# Altium PCB PCB_Rev1.1.PcbDoc (part 2 of 3)
Units mm, origin at the board's own origin, x right, y up, seen from the top; angles counter-clockwise.
Board outline 81.62 x 96.13 mm, 4 copper layers (Top Layer, GND, PWR, Bottom Layer), stack 1.49 mm thick; 180 components, 273 nets, 1035 pads, 349 vias.
Unrouted connection lines stored in the file: 133.
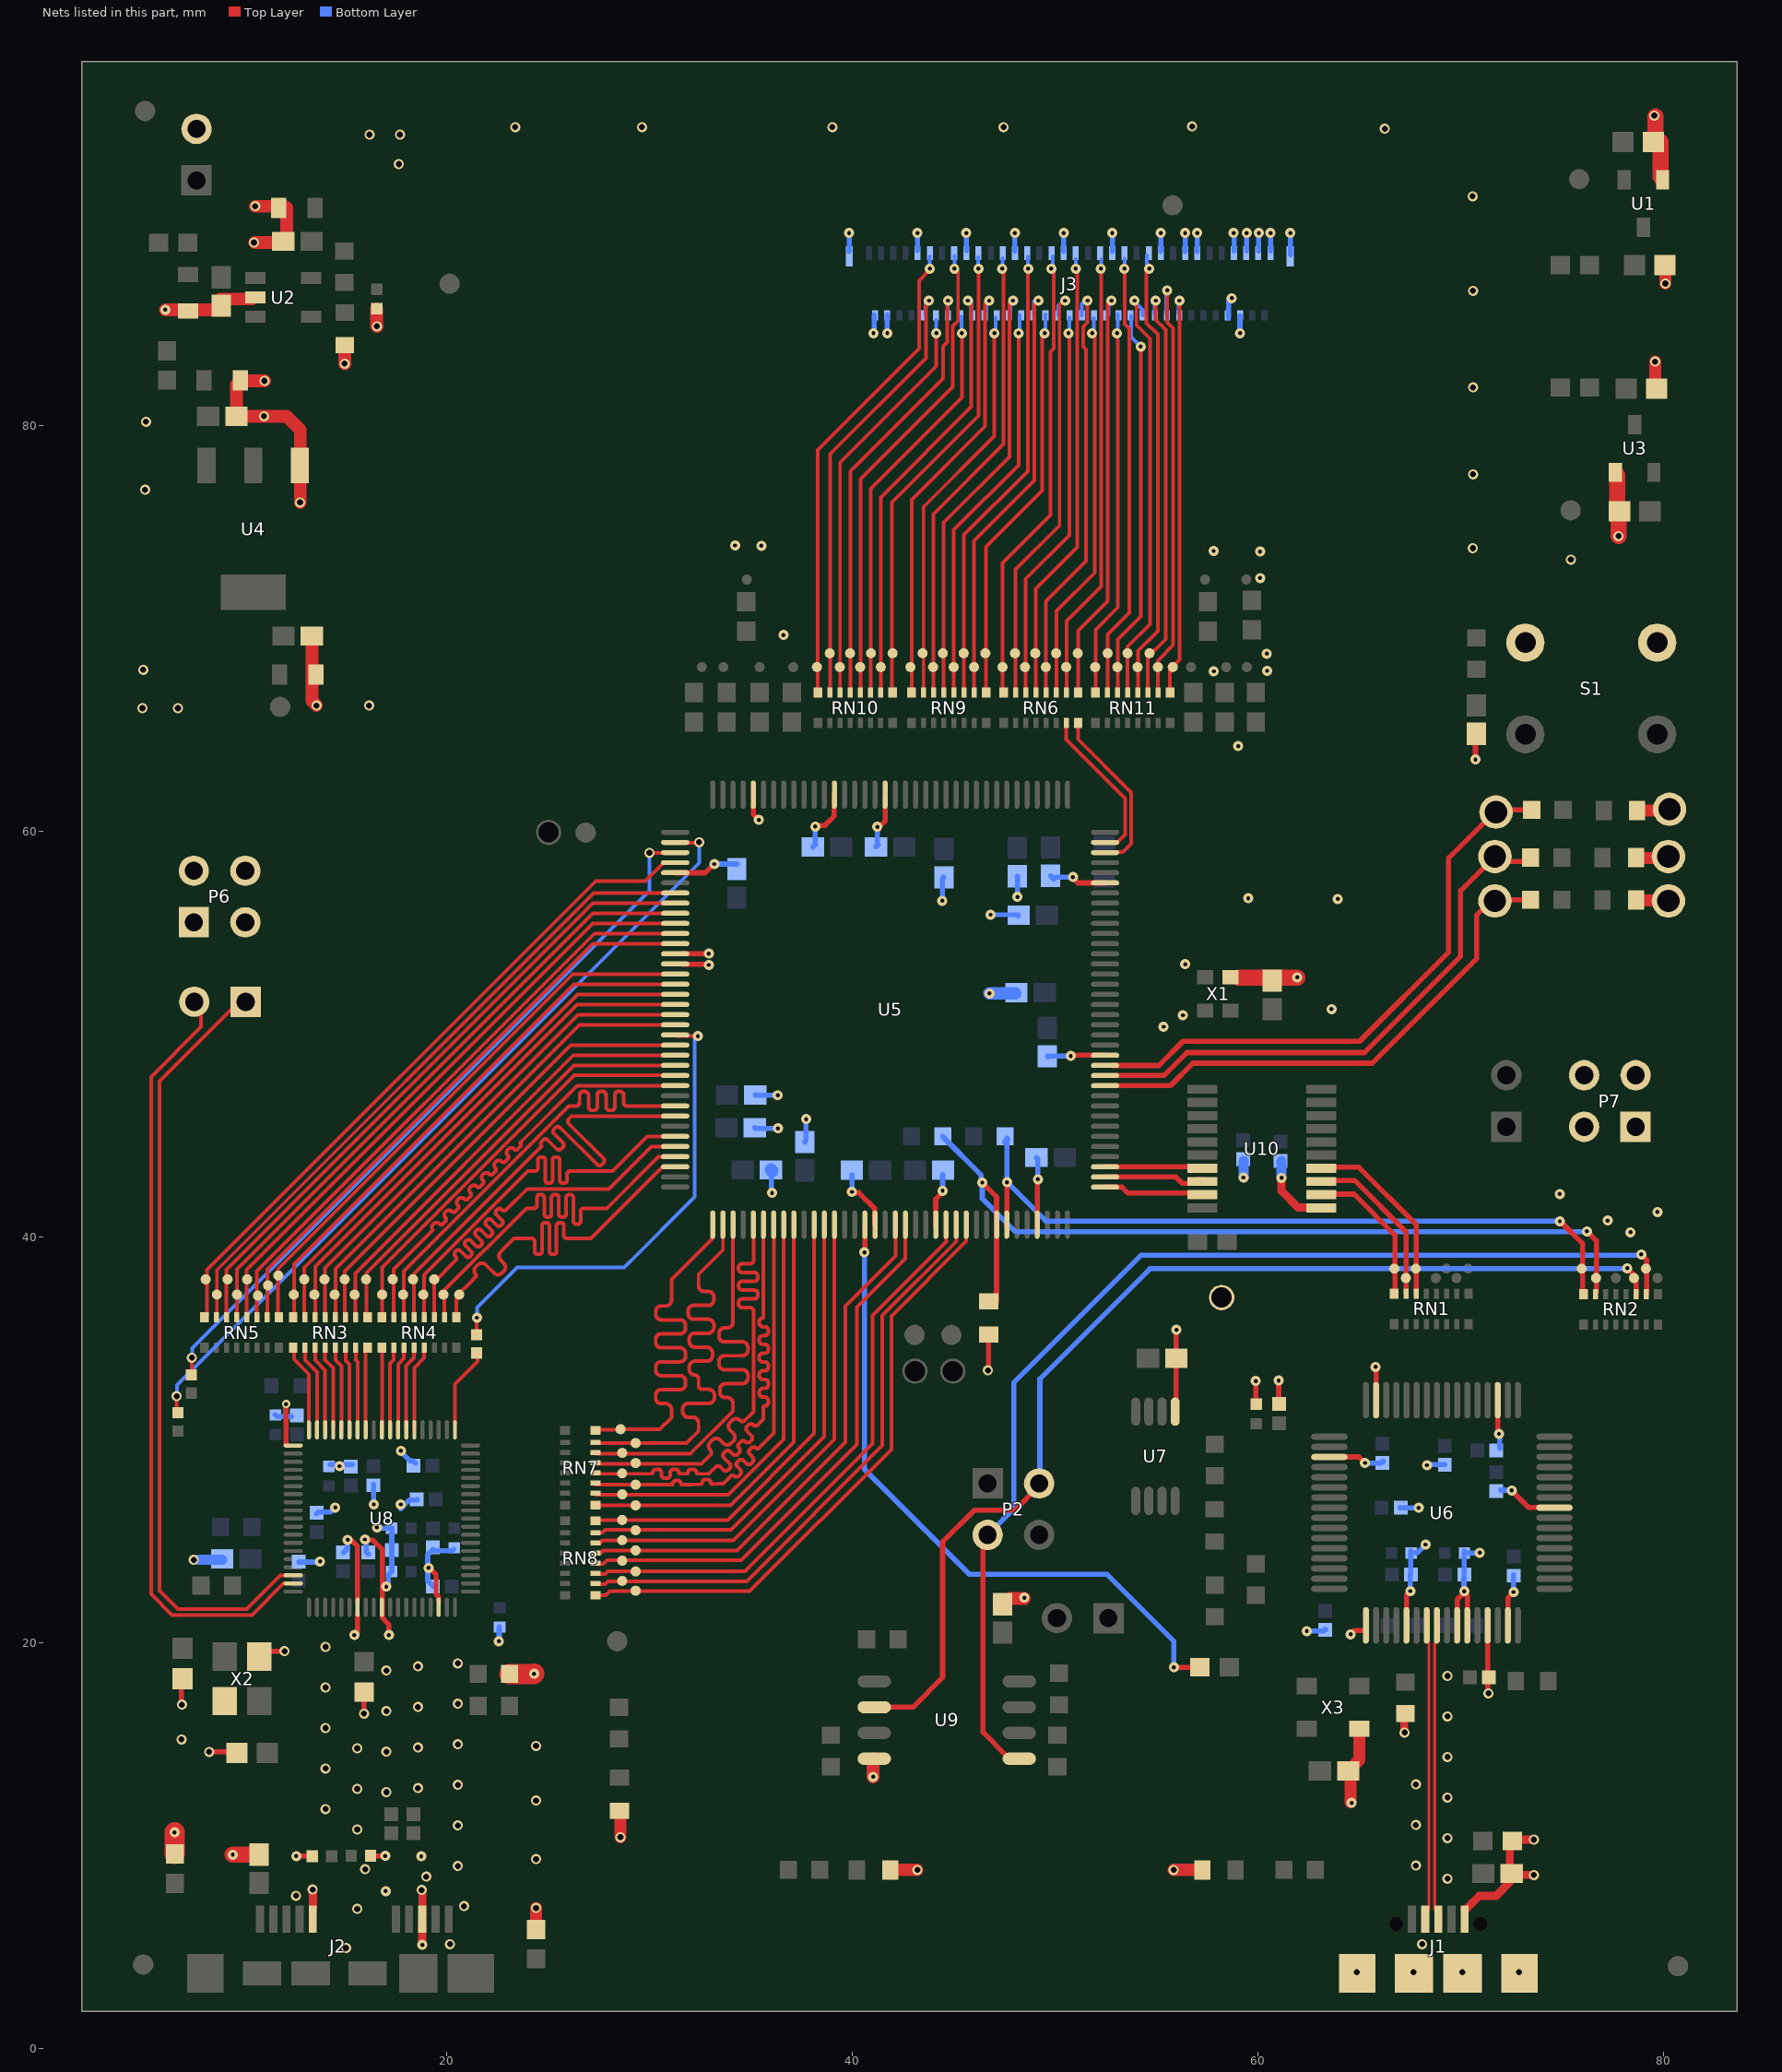
[diagram p4: the nets of this part, all layers, seen from the top]

## Via types
v1: diameter 0.5, hole 0.2, Top Layer to Bottom Layer, tented both sides, 239 vias
v2: diameter 0.5, hole 0.3, Top Layer to Bottom Layer, tented both sides, 105 vias
v3: diameter 0.6, hole 0.3, Top Layer to Bottom Layer, tented both sides, 2 vias
v4: diameter 1, hole 0.6, Top Layer to Bottom Layer, tented both sides, 1 vias
v5: diameter 0.3, hole 0.2, Top Layer to Bottom Layer, tented both sides, 1 vias
v6: diameter 0.4, hole 0.2, Top Layer to Bottom Layer, tented both sides, 1 vias

## Nets (pads, with @x,y where several pads share a name; then routed paths per layer and width w, separated by ;. In a path a pad name is that pad's centre, name@x,y a point inside that pad or via, vN(x,y) a via of type N, cw(c..) or ccw(c..) an arc to the next point about the centre after c; other vN are vias at no path point) (continued)
D19: RN4.5 U8.63 | length 4.2
  Top Layer w0.18: U8.63@18.388,30.486 18.388,33.542 18.873,34.026 RN4.5@18.873,34.529
D20: RN4.4 U8.64 | length 4.2
  Top Layer w0.18: U8.64@17.988,30.486 17.988,33.641 18.373,34.027 RN4.4@18.373,34.529
D21: RN4.3 U8.65 | length 3.7
  Top Layer w0.18: U8.65@17.596,30.897 17.596,33.725 17.873,34.002 RN4.3@17.873,34.529
D22: RN4.2 U8.66 | length 4.1
  Top Layer w0.18: U8.66@17.188,30.486 17.188,33.766 17.373,33.951 RN4.2@17.373,34.529
D23: RN4.1 U8.67 | length 4
  Top Layer w0.18: U8.67@16.788,30.486 16.788,31.017 16.807,31.035 RN4.1@16.807,34.466
D24: RN3.8 U8.69 | length 3.6
  Top Layer w0.18: U8.69@15.976,30.907 RN3.8@15.976,34.462
D25: RN3.7 U8.70 | length 4.1
  Top Layer w0.18: RN3.7@15.5,34.529 15.5,33.928 15.588,33.84 U8.70@15.588,30.486
D26: RN3.6 U8.71 | length 4.1
  Top Layer w0.18: RN3.6@15,34.529 15,33.889 15.177,33.712 15.177,30.498 U8.71@15.188,30.486
D27: RN3.5 U8.72 | length 4.2
  Top Layer w0.18: RN3.5@14.5,34.529 14.5,33.916 14.788,33.628 U8.72@14.788,30.486
D28: RN3.4 U8.73 | length 4
  Top Layer w0.18: RN3.4@13.984,34.349 13.984,33.932 14.388,33.527 U8.73@14.388,30.486
D29: RN3.3 U8.74 | length 4.2
  Top Layer w0.18: RN3.3@13.5,34.529 13.5,33.916 13.988,33.428 U8.74@13.988,30.486
D30: RN3.2 U8.75 | length 4.3
  Top Layer w0.18: RN3.2@13,34.529 13,33.916 13.588,33.327 U8.75@13.588,30.486
D31: RN3.1 U8.76 | length 4.3
  Top Layer w0.18: RN3.1@12.457,34.466 12.457,33.959 13.188,33.228 U8.76@13.188,30.486
D\C\D\: U5.73 U10.9 | length 5.1
  Top Layer w0.254: U5.73@52.453,42.451 53.288,42.451 53.58,42.159 U10.9@57.432,42.159
D\S\R\: U5.74 U10.8 | length 5.2
  Top Layer w0.254: U5.74@52.453,42.951 55.946,42.951 56.256,42.641 56.751,42.641 56.92,42.809 U10.8@57.432,42.809
D\T\R\: U5.75 U10.7 | length 5
  Top Layer w0.254: U5.75@52.453,43.451 52.455,43.453 57.426,43.453 U10.7@57.432,43.459
D_N: J1.2 U6.7 | length 14.5
  Top Layer w0.15: J1.2@68.137,6.38 J1.2@68.137,6.385 ; J1.2@68.204,6.385 J1.2@68.204,6.86 ; U6.7@68.316,20.846 68.316,20.055 68.427,19.944 J1.2@68.427,6.848
D_P: J1.3 U6.8 | length 14.5
  Top Layer w0.15: J1.3@68.705,6.861 68.705,19.944 68.816,20.055 U6.8@68.816,20.846 ; J1.3@68.854,6.385 J1.3@68.854,6.86
DATA0: J3.57 pad.2@38.245,68.096 RN10.16 | length 23.9
  Top Layer w0.18: RN10.16@38.278,66.829 38.278,78.794 43.281,83.797 43.281,87.15 43.785,87.654 v1@43.785,87.896
  Bottom Layer w0.18: v1@43.805,87.784 J3.57@43.805,88.352
  other v1: 43.814,87.737
DATA1: J3.53 pad.2@40.376,68.096 RN10.12 | length 23.5
  Top Layer w0.18: RN10.12@40.394,66.829 40.394,77.361 44.951,81.918 44.951,84.911 45.203,85.162 45.203,87.567 v1@45.044,87.726
  Bottom Layer w0.18: v1@45.03,87.811 J3.53@45.03,88.379
  other v1: 45.022,87.737
DATA2: J3.49 pad.2@41.974,68.777 RN10.9 | length 23.2
  Top Layer w0.18: RN10.9@41.952,66.829 41.952,76.236 46.207,80.491 46.207,87.727 v1@46.204,87.73
  Bottom Layer w0.18: v1@46.197,87.731 J3.49@46.197,88.299
  other v1: 46.206,87.737
DATA3: J3.45 pad.2@43.973,68.096 RN9.14 | length 22.9
  Top Layer w0.18: RN9.14@43.998,66.829 43.998,75.641 47.425,79.068 ; 47.435,79.09 v1@47.435,87.718
  Bottom Layer w0.18: v1@47.397,87.684 J3.45@47.397,88.252
  other v1: 47.385,87.737
DATA4: J3.41 pad.2@45.481,68.777 RN9.11 | length 22.8
  Top Layer w0.18: RN9.11@45.498,66.829 45.498,74.609 48.649,77.76 v1@48.649,87.737
  Bottom Layer w0.18: v1@48.656,87.759 J3.41@48.656,88.327
  other v1: 48.662,87.737
DATA5: J3.37 pad.2@47.395,68.096 RN6.16 | length 22.5
  Top Layer w0.18: RN6.16@47.393,66.833 47.393,73.221 49.76,75.588 49.76,83.642 49.918,83.8 49.918,87.572 v1@49.805,87.685
  Bottom Layer w0.18: v1@49.875,87.783 J3.37@49.875,88.351
  other v1: 49.805,87.737
DATA6: J3.33 pad.2@49.013,68.777 RN6.13 | length 22.5
  Top Layer w0.18: RN6.13@49.037,66.833 49.037,71.948 51.089,74 51.089,87.786 v1@51,87.875
  Bottom Layer w0.18: v1@51.005,87.632 J3.33@51.005,88.2
  other v1: 51.005,87.737
DATA7: J3.29 pad.2@50.536,68.096 RN6.10 | length 22.1
  Top Layer w0.18: RN6.10@50.55,66.76 50.55,70.357 52.264,72.071 v1@52.264,87.632
  Bottom Layer w0.18: v1@52.265,87.632 J3.29@52.265,88.2
  other v1: 52.248,87.737
DATA7Res: RN6.7 U5.107 | length 7.3
  Top Layer w0.18: RN6.7@50.537,65.333 50.537,64.515 53.447,61.605 53.447,59.843 U5.107@53.037,59.433
DATA8: J3.25 pad.2@52.587,68.777 RN11.15 | length 22.2
  Top Layer w0.18: RN11.15@52.571,66.829 52.571,69.7 53.64,70.769 53.64,84.782 53.418,85.004 v1@53.418,87.899
  Bottom Layer w0.18: v1@53.423,87.656 J3.25@53.423,88.224
  other v1: 53.41,87.737
DATA9: J3.21 pad.2@54.052,68.096 RN11.12 | length 22.4
  Top Layer w0.18: RN11.12@54.071,66.829 54.071,68.891 55.053,69.873 55.053,84.499 54.494,85.058 54.494,87.618 54.637,87.761 v1@54.637,87.915
  Bottom Layer w0.18: v1@54.513,87.825 J3.21@54.513,88.393
  other v1: 54.637,87.737
DATA10: J3.16 pad.2@55.794,68.095 RN11.9 | length 20
  Top Layer w0.18: RN11.9@55.654,66.959 55.654,67.982 56.131,68.459 v1@56.131,86.151
  Bottom Layer w0.18: J3.16@56.085,85.534 v1@56.085,86.102
  other v1: 56.12,86.162
DATA11: J3.18 pad.2@55.057,68.096 RN11.10 | length 21.1
  Top Layer w0.18: RN11.10@55.051,66.959 55.051,68.414 55.815,69.178 55.815,84.806 55.518,85.103 v1(55.518,86.666)
  Bottom Layer w0.18: J3.18@55.463,85.586 v1@55.463,86.519
DATA12: J3.20 pad.2@54.646,68.777 RN11.11 | length 20.3
  Top Layer w0.18: RN11.11@54.562,66.936 54.562,68.589 55.439,69.466 55.439,84.735 54.955,85.219 v1@54.955,86.151
  Bottom Layer w0.18: J3.20@54.909,85.508 v1@54.909,86.076
  other v1: 54.955,86.162
DATA13: J3.22 pad.2@53.563,68.777 RN11.13 | length 20.9
  Top Layer w0.18: RN11.13@53.562,66.959 53.562,68.777 53.562,69.101 54.665,70.204 54.665,84.288 54.003,84.951 54.003,86.195 v1@53.902,86.296
  Bottom Layer w0.18: v1@53.969,86.058 54.31,85.717 J3.22@54.31,85.438
  other v1: 53.902,86.162
DATA14: J3.24 pad.2@53.065,68.096 RN11.14 | length 19.3
  Top Layer w0.18: RN11.14@53.071,66.829 53.071,69.444 54.211,70.584 v1(54.211,83.892)
  Bottom Layer w0.18: J3.24@53.742,85.425 53.742,84.361 v1(54.211,83.892)
DATA15: J3.26 pad.2@51.967,68.096 RN11.16 | length 19
  Top Layer w0.18: RN11.16@51.994,66.941 51.994,69.936 53.091,71.033 v1@53.091,84.555
  Bottom Layer w0.18: v1@53.074,84.555 J3.26@53.074,85.494
  other v1: 53.04,84.555
DATA16: J3.28 pad.2@51.108,68.777 RN6.9 | length 20.9
  Top Layer w0.18: RN6.9@51.133,66.8 51.133,69.888 52.58,71.335 52.58,86.109 v1@52.773,86.302
  Bottom Layer w0.18: J3.28@52.627,85.484 52.627,86.016 v1(52.773,86.162)
DATA16Res: RN6.8 U5.106 | length 8.1
  Top Layer w0.18: RN6.8@51.125,65.333 51.125,64.532 53.748,61.908 53.748,59.393 53.327,58.972 U5.106@52.849,58.972
DATA17: J3.30 pad.2@50.041,68.777 RN6.11 | length 19.3
  Top Layer w0.18: RN6.11@50.053,66.819 50.053,70.858 51.935,72.74 v1@51.935,84.555
  Bottom Layer w0.18: v1@51.904,84.555 J3.30@51.904,85.309
  other v1: 51.812,84.555
DATA18: J3.32 pad.2@49.53,68.096 RN6.12 | length 21.4
  Top Layer w0.18: RN6.12@49.537,66.833 49.537,71.339 51.52,73.322 51.52,83.748 51.371,83.897 51.371,84.871 51.583,85.083 v1@51.583,86.284
  Bottom Layer w0.18: J3.32@51.31,85.438 51.31,86.011 v1@51.583,86.284
  other v1: 51.583,86.162
DATA19: J3.34 pad.2@48.504,68.096 RN6.14 | length 19.4
  Top Layer w0.18: RN6.14@48.537,66.833 48.537,72.444 50.686,74.593 v1@50.686,84.555
  Bottom Layer w0.18: v1@50.693,84.555 J3.34@50.693,85.313
  other v1: 50.647,84.555
DATA20: J3.36 pad.2@48.013,68.777 RN6.15 | length 21.3
  Top Layer w0.18: RN6.15@48.037,66.833 48.037,72.905 50.205,75.073 50.205,85.958 v1@50.484,86.237
  Bottom Layer w0.18: J3.36@50.152,85.445 50.152,85.905 v1@50.484,86.237
  other v1: 50.484,86.162
DATA21: J3.38 pad.2@46.548,68.777 RN9.9 | length 19.9
  Top Layer w0.18: RN9.9@46.585,66.829 46.585,74.023 49.356,76.793 49.356,84.402 v1@49.509,84.555
  Bottom Layer w0.18: v1@49.508,84.555 J3.38@49.508,85.49
  other v1: 49.476,84.555
DATA22: J3.40 pad.2@45.995,68.096 RN9.10 | length 21.4
  Top Layer w0.18: RN9.10@45.998,66.829 45.998,74.326 48.968,77.296 48.968,86.012 v1@49.162,86.206
  Bottom Layer w0.18: J3.40@48.94,85.445 v1@48.94,86.124
  other v1: 49.162,86.162
DATA23: J3.42 pad.2@44.989,68.096 RN9.12 | length 19.9
  Top Layer w0.18: RN9.12@44.998,66.829 44.998,74.865 48.185,78.052 v1(48.185,84.555)
  Bottom Layer w0.18: v1@48.242,84.555 J3.42@48.242,85.45
DATA24: J3.44 pad.2@44.453,68.777 RN9.13 | length 21.4
  Top Layer w0.18: RN9.13@44.498,66.829 44.498,75.221 47.743,78.466 47.743,86.045 v1@47.91,86.212
  Bottom Layer w0.18: J3.44@47.779,85.575 v1@47.779,86.143
  other v1: 47.91,86.162
DATA25: J3.46 pad.2@43.453,68.777 RN9.15 | length 20
  Top Layer w0.18: RN9.15@43.498,66.829 43.498,75.991 46.993,79.486 v1(46.993,84.555)
  Bottom Layer w0.18: v1@47.047,84.533 J3.46@47.047,85.326
DATA26: J3.48 pad.2@42.855,68.096 RN9.16 | length 21.6
  Top Layer w0.18: RN9.16@42.911,66.829 42.911,76.343 46.544,79.977 46.544,86.034 v1@46.738,86.228
  Bottom Layer w0.18: J3.48@46.599,85.627 v1@46.599,86.195
  other v1: 46.738,86.162
DATA27: J3.50 pad.2@41.392,68.096 RN10.10 | length 21.7
  Top Layer w0.18: RN10.10@41.386,66.995 41.386,76.462 45.85,80.926 45.85,86.025 v1@45.69,86.185
  Bottom Layer w0.18: J3.50@45.842,85.621 v1@45.842,86.189
  other v1: 45.69,86.162
DATA28: J3.52 pad.2@40.907,68.777 RN10.11 | length 20.4
  Top Layer w0.18: RN10.11@40.898,66.829 40.898,76.894 45.393,81.389 v1(45.393,84.555)
  Bottom Layer w0.18: v1@45.38,84.559 J3.52@45.38,85.361
DATA29: J3.54 pad.2@39.879,68.777 RN10.13 | length 21.9
  Top Layer w0.18: RN10.13@39.889,66.829 39.889,77.756 44.463,82.33 44.463,83.903 44.67,84.11 44.67,86.109 v1@44.72,86.159
  Bottom Layer w0.18: J3.54@44.699,85.544 v1@44.699,86.112
  other v1: 44.709,86.162
DATA30: J3.56 pad.2@39.37,68.096 RN10.14 | length 20.2
  Top Layer w0.18: RN10.14@39.386,66.829 39.384,78.189 44.118,82.923 v1@44.118,84.523
  Bottom Layer w0.18: v1@44.134,84.641 J3.56@44.134,85.209
  other v1: 44.131,84.555
DATA31: J3.58 pad.2@38.879,68.777 RN10.15 | length 21.9
  Top Layer w0.18: RN10.15@38.887,66.829 38.887,78.603 43.615,83.331 43.615,85.997 v1@43.765,86.147
  Bottom Layer w0.18: J3.58@43.593,85.527 v1@43.593,86.095
  other v1: 43.765,86.162
DCDRN: pad.2@66.719,38.433 RN1.16 U10.12 | length 6.6
  Top Layer w0.254: U10.12@63.853,42.104 64.736,42.104 66.749,40.091 RN1.16@66.749,37.204
DSR_RN: pad.2@67.287,37.97 RN1.15 U10.13 | length 7.9
  Top Layer w0.254: U10.13@63.554,42.624 63.715,42.785 64.766,42.785 67.301,40.25 RN1.15@67.301,37.172
DTRRN: pad.2@67.78,38.433 RN1.14 U10.14 | length 8.7
  Top Layer w0.254: U10.14@63.681,43.432 64.972,43.432 67.8,40.604 RN1.14@67.8,37.236
FIFO_BE0: pad.2@11.679,38.092 RN5.9 U5.15 | length 28
  Top Layer w0.18: RN5.9@11.65,36.029 11.65,38.407 26.198,52.955 U5.15@31.253,52.955
FIFO_BE1: pad.2@11.17,37.607 RN5.10 U5.12 | length 29.1
  Top Layer w0.18: RN5.10@11.14,36.029 11.14,38.401 27.19,54.451 U5.12@31.253,54.451
FIFO_BE2: pad.2@10.672,37.102 RN5.11 U5.11 | length 29.8
  Top Layer w0.18: RN5.11@10.622,36.029 10.622,38.305 27.268,54.951 U5.11@31.253,54.951
FIFO_BE3: pad.2@10.145,37.907 RN5.12 U5.10 | length 30.6
  Top Layer w0.18: RN5.12@10.122,36.029 10.122,38.38 27.193,55.451 U5.10@31.253,55.451
FIFO_CLK: R4.2 U5.21 | length 23.5
  Top Layer w0.18: R4.2@21.467,35.18 v1@21.467,36.008 ; U5.21@31.253,49.939 31.294,49.898 v1(32.372,49.898)
  Top Layer w0.254: R4.2@21.461,35.174 R4.2@21.467,35.18 ; v1@21.467,36.008 v1(21.472,36.013)
  Bottom Layer w0.18: v1(21.472,36.013) 21.472,36.504 23.458,38.49 28.202,38.49 28.743,38.49 29.472,39.218 31.558,41.305 32.221,41.967 32.221,49.747 v1(32.372,49.898)
FIFO_D0: pad.2@29.302,22.551 RN8.9 U5.62 | length 29.6
  Top Layer w0.18: RN8.9@27.331,22.33 27.829,22.33 28.028,22.528 34.925,22.528 41.909,29.512 41.909,36.084 45.607,39.782 U5.62@45.607,40
FIFO_D1: pad.2@28.638,23.037 RN8.10 U5.61 | length 28.6
  Top Layer w0.18: RN8.10@27.548,22.881 27.804,22.881 27.931,23.008 34.776,23.008 41.474,29.706 41.474,36.131 45.118,39.775 U5.61@45.118,40.032
FIFO_D2: pad.2@29.302,23.501 RN8.11 U5.60 | length 27.9
  Top Layer w0.18: RN8.11@27.542,23.376 27.799,23.376 27.934,23.511 34.692,23.511 40.971,29.79 ; 40.977,29.783 40.977,36.118 44.616,39.757 U5.60@44.616,40.074
FIFO_D3: pad.2@28.638,24.032 RN8.12 U5.56 | length 26.5
  Top Layer w0.18: RN8.12@27.513,23.883 27.711,23.883 27.887,24.059 34.515,24.059 40.21,29.754 40.21,36.532 42.596,38.918 U5.56@42.596,40.139
FIFO_D4: pad.2@29.302,24.542 RN8.13 U5.55 | length 25.8
  Top Layer w0.18: RN8.13@27.331,24.417 27.587,24.417 27.694,24.524 34.297,24.524 39.64,29.867 39.64,36.578 42.117,39.055 U5.55@42.117,40.12
FIFO_D5: pad.2@28.638,25.046 RN8.14 U5.49 | length 24.3
  Top Layer w0.18: RN8.14@27.542,24.896 27.674,25.028 34.118,25.028 39.103,30.014 U5.49@39.103,40.601
FIFO_D6: pad.2@29.302,25.538 RN8.15 U5.48 | length 23.7
  Top Layer w0.18: RN8.15@27.331,25.417 27.667,25.417 27.801,25.551 34.012,25.551 38.603,30.142 U5.48@38.603,40.601
FIFO_D7: pad.2@28.638,26.042 RN8.16 U5.47 | length 22.8
  Top Layer w0.18: RN8.16@27.331,26.039 pad.2@28.638,26.042 33.847,26.042 38.103,30.298 U5.47@38.103,40.601
FIFO_D8: pad.2@29.302,26.763 RN7.9 U5.45 | length 21.6
  Top Layer w0.18: RN7.9@27.483,26.761 33.992,26.761 37.103,29.872 U5.45@37.103,40.601
FIFO_D9: pad.2@28.638,27.306 RN7.10 U5.44 | length 21
  Top Layer w0.18: RN7.10@27.331,27.293 33.877,27.293 36.603,30.019 U5.44@36.603,40.601
FIFO_D10: pad.2@29.302,27.777 RN7.11 U5.43 | length 22.1
  Top Layer w0.18: RN7.11@27.325,27.82 27.314,27.791 pad.2@29.285,27.787 ; pad.2@29.302,27.785 30.898,27.782 31.092,27.782 ccw(c31.092,27.805) 31.115,27.805 cw(c31.289,27.805) 31.289,27.979 31.375,27.979 cw(c31.375,27.805) 31.549,27.805 ccw(c31.572,27.805) 31.572,27.782 31.931,27.782 32.148,27.788 32.526,27.798 ccw(c32.524,27.854) 32.58,27.855 cw(c32.754,27.86) 32.749,28.033 32.836,28.035 cw(c32.841,27.862) 33.014,27.866 ccw(c33.07,27.868) 33.072,27.812 33.449,27.822 33.618,27.826 33.772,27.98 34.004,28.212 cw(c34.078,28.138) 34.153,28.212 ccw(c34.275,28.335) 34.398,28.212 34.46,28.274 ccw(c34.337,28.396) 34.46,28.519 34.385,28.593 34.317,28.662 cw(c34.439,28.785) 34.317,28.908 34.378,28.969 cw(c34.501,28.846) 34.623,28.969 34.692,28.9 34.766,28.826 ccw(c34.889,28.949) 35.012,28.826 35.073,28.887 ccw(c34.951,29.01) 35.073,29.133 34.999,29.207 34.93,29.276 cw(c35.053,29.399) 34.93,29.521 34.992,29.583 ; 34.992,29.583 cw(c35.115,29.46) 35.237,29.583 ; 35.237,29.583 ccw(c35.306,29.651) 35.375,29.583 35.613,29.821 35.668,29.876 36.126,30.334 36.126,40.578 U5.43@36.103,40.601
FIFO_D11: pad.2@28.638,28.342 RN7.12 U5.42 | length 25.4
  Top Layer w0.18: RN7.12@27.331,28.317 29.921,28.317 30.093,28.317 ccw(c30.093,28.362) 30.138,28.362 cw(c30.312,28.362) 30.312,28.535 30.398,28.535 cw(c30.398,28.362) 30.572,28.362 30.572,28.317 30.572,28.275 ccw(c30.746,28.275) 30.746,28.102 30.832,28.102 ccw(c30.832,28.275) 31.006,28.275 31.006,28.317 31.006,28.362 cw(c31.18,28.362) 31.18,28.535 31.266,28.535 cw(c31.266,28.362) 31.44,28.362 ccw(c31.485,28.362) 31.485,28.317 31.829,28.317 ccw(c31.829,28.362) 31.874,28.362 cw(c32.048,28.362) 32.048,28.535 32.134,28.535 cw(c32.134,28.362) 32.308,28.362 ccw(c32.353,28.362) 32.353,28.317 32.742,28.317 32.909,28.317 33.062,28.47 33.247,28.655 cw(c33.369,28.532) 33.492,28.655 33.632,28.514 ccw(c33.755,28.637) 33.878,28.514 33.939,28.576 ccw(c33.817,28.698) 33.939,28.821 33.676,29.084 33.657,29.104 cw(c33.779,29.227) 33.657,29.349 33.718,29.411 cw(c33.841,29.288) 33.964,29.411 33.983,29.391 34.091,29.283 ccw(c34.214,29.406) 34.337,29.283 34.398,29.344 ccw(c34.275,29.467) 34.398,29.59 cw(c34.506,29.698) 34.398,29.806 34.489,29.897 cw(c34.597,29.789) 34.705,29.897 ccw(c34.828,30.02) 34.95,29.897 35.012,29.958 ccw(c34.889,30.081) 35.012,30.204 34.904,30.312 34.798,30.417 cw(c34.921,30.54) 34.798,30.663 34.86,30.724 cw(c34.982,30.601) 35.105,30.724 ccw(c35.211,30.829) 35.316,30.724 35.518,30.926 35.603,31.011 35.603,31.228 35.603,31.594 cw(c35.671,31.594) 35.671,31.662 ccw(c35.671,31.836) 35.845,31.836 35.845,31.922 ccw(c35.671,31.922) 35.671,32.096 35.603,32.096 35.575,32.096 cw(c35.575,32.27) 35.402,32.27 35.402,32.356 cw(c35.575,32.356) 35.575,32.53 35.603,32.53 35.671,32.53 ccw(c35.671,32.704) 35.845,32.704 35.845,32.79 ccw(c35.671,32.79) 35.671,32.964 35.603,32.964 35.575,32.964 cw(c35.575,33.138) 35.402,33.138 35.402,33.224 cw(c35.575,33.224) 35.575,33.398 35.603,33.398 35.671,33.398 ccw(c35.671,33.572) 35.845,33.572 35.845,33.658 ccw(c35.671,33.658) 35.671,33.832 35.603,33.832 35.575,33.832 cw(c35.575,34.006) 35.402,34.006 35.402,34.092 cw(c35.575,34.092) 35.575,34.266 35.603,34.266 35.671,34.266 ccw(c35.671,34.44) 35.845,34.44 35.845,34.526 ccw(c35.671,34.526) 35.671,34.7 35.603,34.7 35.575,34.7 cw(c35.575,34.874) 35.402,34.874 35.402,34.96 cw(c35.575,34.96) 35.575,35.134 35.603,35.134 35.671,35.134 ccw(c35.671,35.308) 35.845,35.308 35.845,35.394 ccw(c35.671,35.394) 35.671,35.568 35.603,35.568 35.575,35.568 cw(c35.575,35.742) 35.402,35.742 35.402,35.828 cw(c35.575,35.828) 35.575,36.002 ccw(c35.575,36.03) 35.603,36.03 35.603,36.1 U5.42@35.603,40.601
FIFO_D12: pad.2@29.302,28.847 RN7.13 U5.41 | length 23.5
  Top Layer w0.18: RN7.13@27.331,28.817 32.557,28.817 32.866,29.126 32.983,29.243 ccw(c32.857,29.369) 32.983,29.496 cw(c33.178,29.69) 32.983,29.885 33.08,29.982 cw(c33.275,29.787) 33.469,29.982 33.596,29.856 33.628,29.823 ccw(c33.823,30.018) 34.017,29.823 34.115,29.921 ccw(c33.92,30.115) 34.115,30.31 34.082,30.342 33.956,30.469 cw(c34.151,30.663) 33.956,30.858 34.053,30.955 cw(c34.248,30.76) 34.442,30.955 ccw(c34.569,31.081) 34.695,30.955 35.055,31.315 35.12,31.38 35.12,31.724 35.12,31.858 35.12,36.284 35.12,36.333 ccw(c34.946,36.333) 34.946,36.507 34.555,36.507 cw(c34.555,36.681) 34.382,36.681 34.382,36.767 cw(c34.555,36.767) 34.555,36.941 35.12,36.941 35.148,36.941 ccw(c35.148,37.115) 35.321,37.115 35.321,37.201 ccw(c35.148,37.201) 35.148,37.375 35.12,37.375 34.555,37.375 cw(c34.555,37.549) 34.382,37.549 34.382,37.635 cw(c34.555,37.635) 34.555,37.809 35.12,37.809 35.148,37.809 ccw(c35.148,37.983) 35.321,37.983 35.321,38.069 ccw(c35.148,38.069) 35.148,38.243 35.12,38.243 34.555,38.243 cw(c34.555,38.417) 34.382,38.417 34.382,38.503 cw(c34.555,38.503) 34.555,38.677 34.946,38.677 ccw(c34.946,38.851) 35.12,38.851 35.12,39.111 35.12,39.328 U5.41@35.12,40.051